# Altium PCB HV_DAC_8ch-DIOT.PCBDOC (part 11 of 11)
Units mm, origin at the board's own origin, x right, y up, seen from the top; angles counter-clockwise.
Board outline 222.63 x 100.1 mm, 8 copper layers (L1, L2, L3, P4, L5, L6, P7, L8), stack 1.563 mm thick; 971 components, 607 nets, 3066 pads, 1424 vias.
Unrouted connection lines stored in the file: 1.
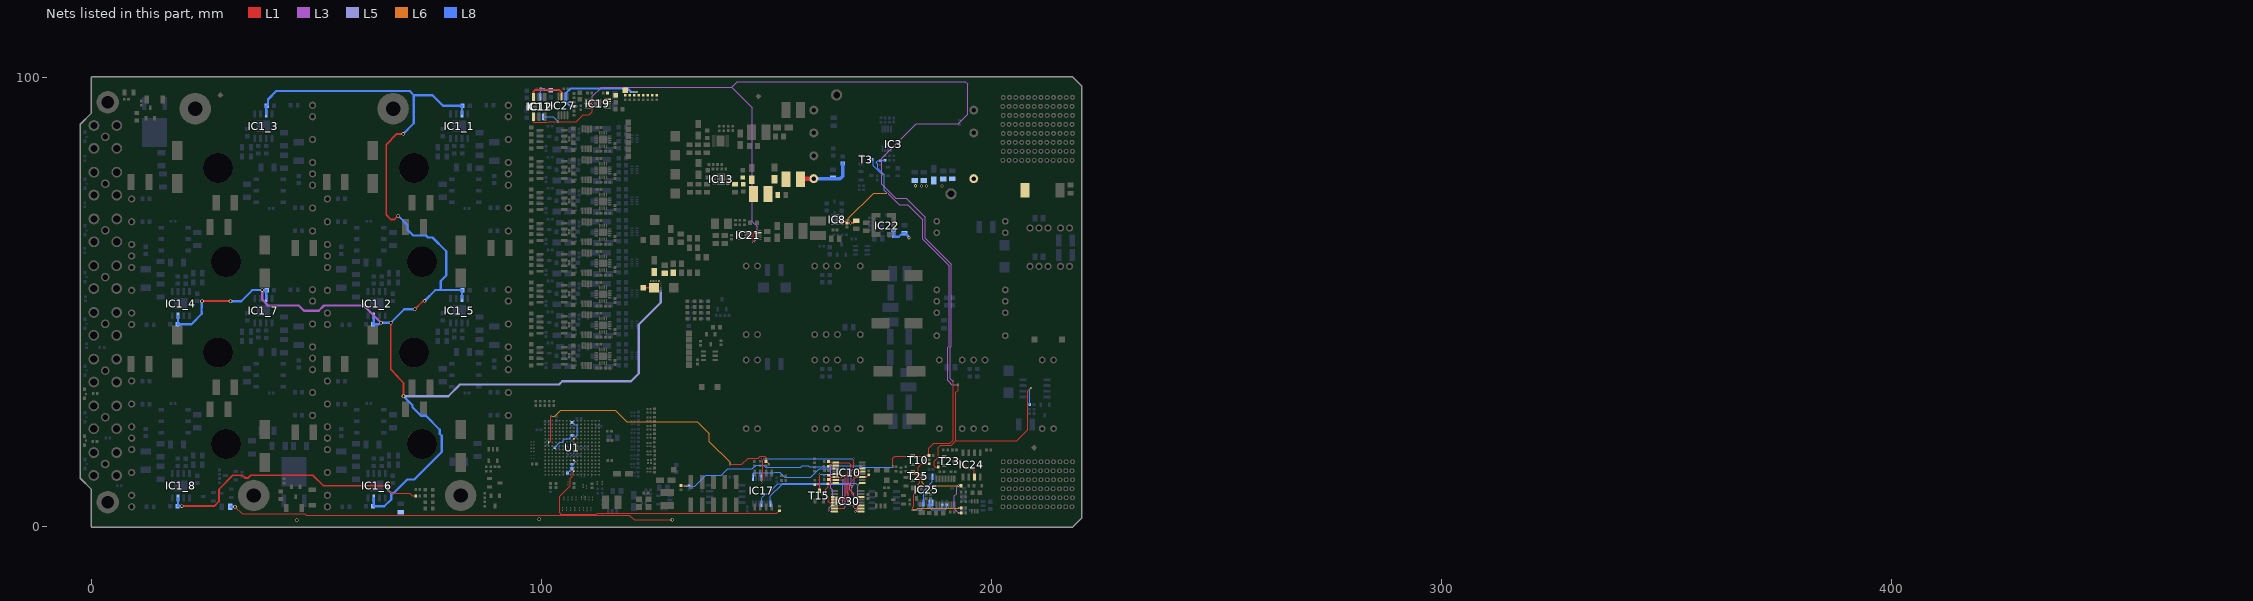
[diagram p17: the nets of this part, all layers, seen from the top]

## Via types
v1: diameter 0.4, hole 0.2, L1 to L8, tented both sides, 1016 vias
v2: diameter 0.8, hole 0.5, L1 to L8, tented both sides, 203 vias
v3: diameter 0.5, hole 0.2, L1 to L8, tented both sides, 117 vias
v4: diameter 0.7, hole 0.4, L1 to L8, tented both sides, 43 vias
v5: diameter 0.4, hole 0.2, L1 to L8, 32 vias
v6: diameter 0.5, hole 0.25, L1 to L8, 6 vias
v7: diameter 0.7, hole 0.4, L1 to L8, 5 vias
v8: diameter 1.2, hole 0.8, L1 to L8, tented both sides, 2 vias

## Nets (pads, with @x,y where several pads share a name; then routed paths per layer and width w, separated by ;. In a path a pad name is that pad's centre, name@x,y a point inside that pad or via, vN(x,y) a via of type N, cw(c..) or ccw(c..) an arc to the next point about the centre after c; other vN are vias at no path point) (continued)
P12V0F: C32.2 C34.2 C36.2 C39.2 C49.1 C63.2 C64.2 C93.2 C123.2 IC3.1 IC8.2 IC22.3 L5.2 | length 10.2
  L1 w0.3: IC8.2@166.838,67.832 167.501,67.832 167.591,67.742 167.778,67.742 C63.2@167.938,67.582
  L1 w0.5: C63.2@167.938,67.582 v7(168.69,67.582) 169.273,67.582 169.765,68.074 C64.2@169.94,68.074 ; L5.2@206.75,75.65 L5.2@207.5,74.9 L5.2@207.498,74.902
  L8 w0.5: IC22.3@178.256,66.016 C93.2@178.255,64.509 179.439,64.509 180.221,65.291 180.249,65.263 180.277,65.291 C123.2@180.696,65.291 180.718,65.313 C123.2@180.696,65.313 ; C123.2@180.871,65.291 181.591,64.571 181.591,64.392 v4(181.686,64.297)
  other v4: 184.5,75.8 185.6,75.8 189,75.8 183.13,75.841
P13V0: C29.2 C77.1 C112.2 C117.2 IC13.1 IC13.2 L11.2 | length 7.8
  L1 w0.381: L11.2@146.34,74.832 146.452,74.721 147.03,74.142 L11.2@147.114,74.059 ; L11.2@147.114,72.869 L11.2@147.114,73.964 ; L11.2@146.456,74.725 L11.2@147.15,74.031 ; L11.2@146.456,74.725 L11.2@147.034,74.146 ; L11.2@146.456,74.725 L11.2@147.034,74.146 ; L11.2@147.034,74.146 L11.2@147.15,74.031 ; L11.2@147.034,74.146 L11.2@147.15,74.031 ; L11.2@147.034,74.146 L11.2@147.15,74.031 ; L11.2@147.034,74.146 L11.2@147.15,74.031 ; L11.2@147.034,74.146 146.34,74.84 146.572,74.84 147.15,74.262 L11.2@147.15,74 L11.2@147.15,74.031
P13V0_FLT: C27.2 C28.1 L10.2 L11.1 | length 0.8
  L1 w0.762: L10.2@154.8,77.3 L10.2@154.8,78.05
P13V0S: C26.2 IC3.7 L10.1 R7.2 | length 12
  L1 w1: L10.1@158,77.3 158.132,77.432 IC3.7@160.528,77.432
  L8 w0.762: IC3.7@160.528,77.432 166.359,77.432 166.93,78.003 R7.2@166.93,80.793
P24VA: C5_1.1 C5_2.1 C5_3.1 C5_4.1 C5_5.1 C5_6.1 C5_7.1 C5_8.1 C13.2 C14.1 D6.1 IC1_1.7 IC1_2.7 IC1_3.7 IC1_4.7 IC1_5.7 IC1_6.7 IC1_7.7 IC1_8.7 L8.2 R119.2 TP8.1 | length 392.5
  L1 w0.2: v2(65.785,9.16) 65.785,8.315 66.6,7.5 70.7,7.5 71.3,6.9 R119.2@72.03,6.9
  L1 w0.4: v2(20.036,4.65) 27.256,4.65 28.303,5.697 28.303,8.403 31.4,11.5 33.5,11.5 34.1,10.9 34.8,10.9 35.4,11.5 49.183,11.5 51.523,9.16 v2(65.785,9.16) ; v2(24.522,50.206) v2(30.85,50.206) ; v2(66.472,45.391) 66.472,35.069 68.69,32.681 68.691,32.679 69.32,32.05 v2(69.32,29.065) ; v2(68.13,69.198) 67.293,68.361 66.517,68.361 65.484,69.394 65.484,85.011 67.858,87.386 v2(69.273,87.386) ; v2(71.791,48.38) 73.545,50.134 73.874,50.134 v2(74,50.26) ; TP8.1@122.6,53.2 D6.1@125,53.2
  L3 w0.5: v2(37.89,52.655) 37.89,50.587 39.219,49.258 46.036,49.258 47.206,48.088 50.492,48.088 51.633,49.229 60.49,49.229 v2(64.333,45.386)
  L5 w0.5: v2(69.32,29.065) 79.265,29.065 81.9,31.7 103.9,31.7 104.6,32.4 119.9,32.4 121.6,34.1 121.6,45 126.5,49.9 v1(126.5,52.5)
  L8 w0.5: C5_8.1@19.058,4.591 C5_8.1@19.117,4.65 ; IC1_8.7@19.2,6.46 19.2,4.733 C5_8.1@19.117,4.65 ; IC1_4.7@19.2,46.96 19.2,45.233 C5_4.1@19.058,45.091 22.173,45.091 24.483,47.402 24.483,47.924 24.39,48.018 24.39,48.662 24.483,48.755 24.483,50.168 v2(24.522,50.206) ; v2(20.036,4.65) C5_8.1@19.117,4.65 ; v2(30.85,50.206) 33.241,50.206 35.69,52.655 v2(37.89,52.655) C5_7.1@38.942,52.655 38.8,52.513 IC1_7.7@38.8,50.786 ; IC1_3.7@38.8,91.786 38.8,93.538 39.167,93.905 39.167,95.047 41.047,96.927 70.684,96.927 71.611,96 ; C5_2.1@62.558,45.091 62.7,45.233 IC1_2.7@62.7,46.96 ; C5_6.1@62.7,4.65 62.724,4.65 62.783,4.591 65.05,4.591 66.592,6.133 66.592,7.493 ; C5_6.1@62.7,4.733 IC1_6.7@62.7,6.46 ; C5_2.1@62.724,45.15 62.783,45.091 63.89,45.091 v2@64.128,45.328 ; v2@64.335,45.386 64.337,45.388 66.47,45.388 v2(66.472,45.391) 66.482,45.391 69.471,48.38 v2(71.791,48.38) ; v2(65.785,9.16) 65.842,9.102 65.842,8.242 66.592,7.493 ; v2(68.13,69.198) 70.223,67.105 70.223,66.067 71.49,64.8 74.332,64.8 74.777,64.355 75.745,64.355 78.8,61.3 78.8,55.9 77.605,54.705 77.605,52.655 ; v2(69.273,87.386) 71.611,89.724 71.611,96 ; v2(69.32,29.065) 71.299,27.087 71.299,26.636 73.219,24.715 74.306,24.715 77.389,21.633 77.389,20.695 77.791,20.293 77.791,16.646 71.723,10.579 70.174,10.579 67.089,7.493 66.592,7.493 ; v2(74,50.26) 76.395,52.655 77.605,52.655 ; IC1_5.7@82.3,50.786 82.3,52.513 C5_5.1@82.442,52.655 77.605,52.655 ; IC1_1.7@82.3,91.786 82.3,93.513 C5_1.1@82.442,93.655 78.111,93.655 75.766,96 71.611,96
  other v1: 126.5,53.1 126.5,53.7 126.5,54.3 124.3,54.7 124.9,54.7 125.5,54.7 126.1,54.7
PGOOD: IC11.1 IC12.1 IC19.3 IC21.4 R42.1 R51.2 R171.1 T3.3 T10.1 | length 321.5
  L1 w0.1: IC12.1@98.179,91.203 98.179,90.071 98.3,89.95 101.325,89.95 101.5,90.125 v1(103.675,90.125) 107.75,90.125 109.25,91.625 110.575,91.625 111.3,92.35 v1(111.3,94.1) ; v1(147.1,63.3) 147.1,65.2 147.3,65.4 IC21.4@148.2,65.4 ; v1(178.112,13.423) 178.112,15.312 178.55,15.75 T10.1@182.55,15.75 184.95,15.75 185.1,15.9 R171.1@186.13,15.9 186.13,17.53 187.2,18.6 190.8,18.6 191.5,19.3 v1(191.5,32.4)
  L1 w0.127: IC19.3@110.3,94.1 v1(111.3,94.1) ; R51.2@131,9.22 131.827,9.22 131.954,9.093 v3(132.055,9.093) ; IC21.4@148.2,65.4 IC21.4@148.241,65.441
  L3 w0.1: v1(111.3,94.1) 111.3,95.7 113.4,97.8 142.3,97.8 146.9,93.2 146.9,67.9 148,66.8 148,64.2 v1(147.1,63.3)
  L3 w0.127: 142.3,97.8 143.5,99 194.2,99 194.7,98.5 194.7,91.7 192.6,89.6 183.3,89.6 175.656,81.956 v1(175.656,78.334) 175.656,76.244 178.8,73.1 181.1,73.1 185.3,68.9 185.3,64.2 191.1,58.4 191.1,40.259 191.046,40.205 191.046,40.146 190.9,40 190.9,33 v1(191.5,32.4)
  L8 w0.1: IC11.1@100.375,91.2 102.6,91.2 v1(103.675,90.125)
  L8 w0.127: v3(132.055,9.093) 134.093,9.093 136.5,11.5 140,11.5 141.4,12.9 146.9,12.9 147.7,13.7 149.4,13.7 149.85,13.25 157.65,13.25 158,13.6 159.3,13.6 159.541,13.36 164.86,13.36 165.1,13.6 170.9,13.6 171.25,13.25 177.839,13.25 177.913,13.324 178.065,13.471 178.112,13.424 v1(178.112,13.423) ; T3.3@173.311,81.688 173.511,81.688 173.773,81.426 173.773,80.277 175.656,78.394 v1(175.656,78.334)
PWR_EN: IC8.3 R86.2 R89.2 R202.1 R226.2 | length 127.2
  L1 w0.15: IC8.3@166.838,68.332 168.046,68.332 168.146,68.232 v1(168.213,68.232)
  L1 w0.2: R226.2@188.2,13.33 187.57,13.33 187.3,13.6 187.3,14.6 188.2,15.5 188.2,17.7 188.7,18.2 191.1,18.2 192.1,19.2 ; v1(192.6,31.7) 192.6,30.4 192.1,29.9 192.1,19.2 ; v1(208.8,30.9) 208.1,30.2 208.1,21.6 205.7,19.2 192.1,19.2
  L3 w0.15: v1(176.921,74.191) 179.511,71.6 181.4,71.6 184.7,68.3 184.7,64 190.6,58.1 190.6,40.2 190.3,39.9 190.3,32.6 191.227,31.673 192.573,31.673 v1(192.6,31.7)
  L6 w0.15: v1(168.213,68.232) 168.213,68.602 173.802,74.191 v1(176.921,74.191)
  L8 w0.15: R89.2@176.354,81.556 175.49,81.556 R86.2@175.361,81.428 174.751,81.428 174.436,81.113 174.436,80.938 174.766,80.609 174.766,79.793 176.234,78.324 176.234,74.877 v1(176.921,74.191)
  L8 w0.2: R202.1@208.53,27.2 208.53,30.63 v1(208.8,30.9)
REF5Vin: C167.2 IC11.7 IC12.7 IC27.3 R179.2 | length 14
  L1 w0.45: IC12.7@98.179,95.603 98.2,95.624 98.2,96.762 98.538,97.1 v1(100.9,97.1) v1(103.1,97.1) 104,97.1 104.475,96.625 IC27.3@104.475,95.675
  L8 w0.254: IC11.7@99.725,95.6 99.725,96.625 99.87,96.77 R179.2@99.87,97.4
  L8 w0.45: R179.2@99.87,97.4 100.6,97.4 v1(100.9,97.1) 101.95,97.1 C167.2@102,97.05 102.05,97.1 v1(103.1,97.1)
REF_P5V0: C140.2 IC19.9 IC19.10 R1.1 R4.1 R5.1 R6.1 R10.1 R12.1 R14.1 R154.2 R156.1 R272.1 TP27.1 | length 22.2
  L1 w0.254: v1(106.69,93.53) R156.1@107.2,93.53 v1(107.71,93.53)
  L8 w0.5: v1(107.71,93.53) 106.37,93.53 105.4,94.5 105.4,96.4 106.5,97.5 119.1,97.5 v1(119.9,96.7) v1(121.2,96.7)
  other v1: 120.55,96.7
RST: IC24.3 T23.1 | length 9.4
  L1 w0.127: T23.1@189.55,15.55 192.15,15.55 194.7,13 195.8,13 196.235,12.565 IC24.3@196.235,11.1
RSTn: D3.1 R185.1 T25.1 | length 20.2
  L1 w0.1: v1(192.8,3.1) R185.1@193.33,3.1
  L1 w0.2: v1(182.55,11.7) T25.1@182.55,12.25 ; v1(192.7,9.2) D3.1@193.25,9.2
  L3 w0.1: v1(192.7,9.2) 192.3,8.8 192.3,7.4 191.8,6.9 191.8,4.1 v1(192.8,3.1)
  L6 w0.1: v1(182.55,11.7) 183.5,11.7 184.6,10.6 184.6,9.8 185.2,9.2 v1(192.7,9.2)
SC_A0: IC10.14 IC30.7 R40.1 | length 13.5
  L1 w0.127: R40.1@163.792,11.506 163.792,11.486 164.199,11.079 166.744,11.079 166.969,11.304 v1(167.36,11.304) ; IC30.7@165.147,4.115 165.197,4.166 v1(167.538,4.166)
  L3 w0.1: v1(167.36,11.304) 167.36,10.941 167.538,10.762 v1(167.538,4.166)
SC_A1: IC10.15 IC30.6 R15.1 | length 10.9
  L1 w0.127: R15.1@163.792,10.541 165.277,10.541 IC10.15@165.389,10.429 165.463,10.503 166.332,10.503 166.361,10.531 166.684,10.531 166.712,10.503 v1(167.042,10.503) ; IC30.6@165.147,4.765 165.208,4.826 v1(166.98,4.826)
  L3 w0.1: v1(166.98,4.826) 166.98,9.88 167.042,9.942 v1(167.042,10.503)
SC_A2: IC10.16 IC30.5 R45.1 | length 7.6
  L1 w0.1: IC30.5@165.147,5.415 163.985,5.415 163.7,5.7 163.7,6.7 163.2,7.2 163.2,8.4 163.69,8.89 R45.1@163.69,9.601 164.201,9.601 164.379,9.779 IC10.16@165.389,9.779
SC_CDONE: IC10.10 IC30.8 R41.2 | length 13.7
  L1 w0.127: R41.2@163.72,13.5 163.72,13.52 163.946,13.747 164.246,13.747 v1(164.25,13.75) 165.318,13.75 IC10.10@165.389,13.679 ; v1(164,3.5) 165.113,3.5 IC30.8@165.147,3.465
  L3 w0.127: v1(164,3.5) 164,4.3 164.7,5 164.7,8.2 164.25,8.65 v1(164.25,13.75)
SC_CRESET: IC10.13 R44.2 T15.3 | length 11
  L1 w0.127: R44.2@160.731,9.411 160.769,9.373 161.798,9.373 ; T15.3@161.773,8.059 161.798,8.084 161.798,9.373 ; v1(161.798,11.709) 161.798,10.661 161.789,10.652 161.789,10.328 161.798,10.319 161.798,9.373 ; IC10.13@165.389,11.729 165.395,11.735 v1(166.726,11.735)
  L8 w0.127: v1(161.798,11.709) 166.7,11.709 v1(166.726,11.735)
SC_MISO: IC10.5 IC17.8 IC30.14 | length 30.1
  L1 w0.127: v1(169,9) 169,7.4 169.685,6.715 IC30.14@171.047,6.715 ; v1(169.926,12.294) 171.204,12.294 IC10.5@171.289,12.379
  L3 w0.1: v1(169,9) 169.5,9.5 169.5,11.868 v1(169.926,12.294)
  L8 w0.127: IC17.8@150.896,5.152 150.896,6.896 153.496,9.496 168.504,9.496 v1(169,9)
SC_MOSI: IC10.6 IC17.4 IC30.10 | length 42.3
  L1 w0.1: v1(148.946,9.881) 148.946,10.546 149.2,10.8 149.2,14.969 149.08,15.089 v1(149.08,15.171) ; v1(169.393,15.268) 169.393,14.007 169.418,13.982 v1(169.418,12.979)
  L1 w0.127: v1(169.393,4.166) 170.997,4.166 IC30.10@171.047,4.115 ; v1(169.418,12.979) 171.239,12.979 IC10.6@171.289,13.029
  L3 w0.1: v1(169.393,4.166) 169.393,7.407 168.5,8.3 168.5,9.3 168.9,9.7 168.9,12.461 v1(169.418,12.979)
  L8 w0.127: v1(148.946,9.881) IC17.4@148.946,10.952 ; v1(149.08,15.171) 149.129,15.219 169.344,15.219 v1(169.393,15.268)
SC_nINT: IC10.9 IC30.3 R43.2 | length 15.1
  L1 w0.1: R43.2@163.792,14.529 164.271,14.529 164.471,14.329 IC10.9@165.389,14.329 168.271,14.329 168.75,13.85 168.75,12.5 167.75,11.5 167.75,7.25 167.215,6.715 IC30.3@165.147,6.715
SC_nRST: IC10.3 IC30.4 R13.1 | length 11.7
  L1 w0.1: IC30.4@165.147,6.065 165.193,6.065 167.765,6.065 168.2,6.5 168.2,9.4 169.879,11.079 IC10.3@171.289,11.079
  L1 w0.127: IC30.4@165.147,6.065 IC30.4@165.193,6.02 ; IC10.3@171.289,11.079 172.216,11.079 172.487,11.349 172.487,11.369 172.713,11.596 R13.1@172.733,11.596
SC_SCLK: IC10.11 IC17.1 IC30.11 | length 37.5
  L1 w0.127: IC10.11@165.389,13.029 165.489,12.929 v1(168.199,12.929) ; v1(168.224,4.851) 170.961,4.851 IC30.11@171.047,4.765
  L3 w0.1: v1(168.224,4.851) 168.224,7.476 168,7.7 168,9.6 168.224,9.824 v1@168.224,12.929
  L8 w0.127: IC17.1@146.983,10.94 IC17.1@146.996,10.952 146.996,11.804 147.191,12 151.6,12 151.8,12.2 153,12.2 154.1,11.1 159.9,11.1 161.763,12.963 168.164,12.963 v1(168.199,12.929)
SC_SSEL: IC10.1 IC17.11 IC30.9 | length 32.7
  L1 w0.127: v1(169.824,3.454) 171.036,3.454 IC30.9@171.047,3.465 ; v1(170.307,9.347) 170.332,9.347 170.764,9.779 IC10.1@171.289,9.779
  L3 w0.1: v1(169.824,3.454) 170.307,3.937 v1(170.307,9.347)
  L8 w0.127: IC17.11@148.946,5.152 148.971,5.177 v1(148.971,6.491) 149.87,7.391 150.39,7.391 152.565,9.565 153.206,9.565 153.391,9.75 169.904,9.75 v1(170.307,9.347)
SERVMOD_3V3: IC25.5 IC25.13 R170.2 R205.1 | length 34.5
  L1 w0.1: v1(192.8,4.2) R205.1@193.33,4.2
  L1 w0.127: v1(182.5,3.8) 182.5,4.4 182.7,4.6 182.7,7.3 183.7,8.3 183.7,9.5 184.1,9.9 184.1,10.7 183.7,11.1 183.7,13.3 184.43,14.03 R170.2@186.2,14.03
  L6 w0.127: v1(182.5,3.8) 183.252,3.8 183.652,4.2 v1(192.8,4.2)
  L8 w0.127: v1(182.5,3.8) 184.4,3.8 184.9,4.3 184.9,5.35 IC25.5@184.95,5.4 184.95,8.05 186.9,10 IC25.13@186.9,11.2
STRIP2: R231.1
  other v2: 45.6,1.5 99.5,1.7
STRIP3: R232.1 | length 99.5
  L1 w0.15: v2(31.85,4.5) 33.45,2.9 47.4,2.9 47.673,2.627 119.547,2.627 120.574,1.6 v2(129.1,1.6)
  L8 w0.5: R232.1@30.85,4.5 v2(31.85,4.5)
SW0: R33.1 U1.K15 | length 63.4
  L1 w0.1: U1.K15@101.6,18.8 102,19.2 102,24 102.1,24.1 v1(102.1,24.6) ; v1(141.9,13.9) 144.5,13.9 145.9,15.3 148.2,15.3 148.6,15.7 149.6,15.7 149.911,15.389 R33.1@149.911,14.567
  L1 w0.127: R33.1@149.911,14.567 149.931,14.567 150.496,14.002 150.496,13.912 v1(150.548,13.859)
  L6 w0.1: v1(102.1,24.6) 102.9,24.6 104.3,26 116.4,26 119,23.4 134.6,23.4 137.3,20.7 137.3,19 141.9,14.4 v1(141.9,13.9)
SW1: R35.1 U1.B8 | length 59.9
  L1 w0.1: U1.B8@107.2,12.4 107.153,12.353 107.153,12.153 106.777,11.777 106.777,11.177 106.4,10.8 106.4,9.179 105.166,7.945 104.011,6.789 104.011,3.189 104.321,2.879 112.312,2.879 112.433,3 152.27,3 152.64,3.37 152.64,3.39 152.88,3.63 R35.1@152.9,3.63
Switch_I2C.SCL: IC25.2 R233.2 | length 3.9
  L8 w0.1: IC25.2@186.9,5.4 186.9,4.4 187.1,4.2 188.9,4.2 189.1,4.4 R233.2@189.1,4.93
Switch_I2C.SDA: IC25.3 R3.2 | length 6.1
  L8 w0.1: IC25.3@186.25,5.4 186.25,4.25 186.7,3.8 189.7,3.8 190.1,4.2 R3.2@190.1,4.93
VCCPLL0: C21.2 C50.2 R111.2 U1.L8 | length 10.3
  L1 w0.127: U1.L8@107.2,19.6 v1(107.6,20)
  L8 w0.127: R111.2@102.93,17.6 102.93,17.62 104.101,18.791 104.543,18.791 104.856,19.104 104.856,19.277 105.17,19.591 106.147,19.591 106.396,19.839 106.396,19.946 106.65,20.2 C21.2@106.7,20.2 ; C21.2@106.8,20.35 106.824,20.326 107.374,20.326 107.501,20.199 ; C50.2@106.8,23.2 107.092,22.908 107.298,22.908 107.435,22.771 107.705,22.771 107.966,22.511 107.966,21.786 107.991,21.762 107.991,20.391 v1@107.7,20.1
VCCPLL1: C31.2 C37.2 R112.1 U1.E8 | length 3.9
  L1 w0.127: U1.E8@107.221,14.8 107.221,14.779 107.552,14.448 v1@107.573,14.448
  L8 w0.1: R112.1@105.77,12 105.77,12.02 106.01,12.26 106.036,12.26 106.114,12.338
  L8 w0.127: 106.114,12.338 106.444,12.668 106.508,12.668 C37.2@106.8,12.96 C31.2@106.8,13.95 107.046,14.196 107.323,14.196 107.526,14.4 v1(107.6,14.4)
pads on no net: D5.5 D15.2 D16.2 FTG1.FTG2 FTG2.1 FTG3.1 FTG4.1 FTG5.1 FTG6.1 IC1_1.1 IC1_1.5 IC1_1.8 IC1_2.1 IC1_2.5 IC1_2.8 IC1_3.1 IC1_3.5 IC1_3.8 IC1_4.1 IC1_4.5 IC1_4.8 IC1_5.1 IC1_5.5 IC1_5.8 IC1_6.1 IC1_6.5 IC1_6.8 IC1_7.1 IC1_7.5 IC1_7.8 IC1_8.1 IC1_8.5 IC1_8.8 IC3.8 IC4.7 IC14_1.3 IC14_1.5 IC14_2.3 IC14_2.5 IC14_3.3 IC14_3.5 IC14_4.3 IC14_4.5 IC14_5.3 IC14_5.5 IC14_6.3 IC14_6.5 IC14_7.3 IC14_7.5 IC14_8.3 IC14_8.5 IC15.1 IC15.2 IC15.3 IC15.7 IC19.4 IC20.4 IC27.5 IC27.6 IC27.7 IC28.4 IC31.4 IC32.5 IC37_1.7 IC37_1.13 IC37_1.16 IC37_2.7 IC37_2.13 IC37_2.16 IC37_3.7 IC37_3.13 IC37_3.16 IC37_4.7 IC37_4.13 IC37_4.16 IC37_5.7 IC37_5.13 IC37_5.16 IC37_6.7 IC37_6.13 IC37_6.16 IC37_7.7 IC37_7.13 IC37_7.16 IC37_8.7 IC37_8.13 IC37_8.16 IC41.3 J8.A5 J8.B1 J8.B5 J8.D5 J8.E4 J8.E5 J8.F4 J8.G3 J8.H3 J8.I2 J8.J3 J8.K3 J8.L2 J9.A3 J9.A5 J9.A7 J9.A8 J9.B2 J9.B3 J9.B4 J9.B5 J9.B6 J9.B7 J9.B8 J9.C2 J9.C4 J9.C6 J9.C8 J9.D3 J9.D5 J9.D7 J9.D8 J9.E2 J9.E3 J9.E4 J9.E5 J9.E6 J9.E7 J9.E8 J9.F2 J9.F4 J9.F6 J9.F8 J9.G3 J9.G5 J9.G7 J9.H2 J9.H3 J9.H4 J9.H5 J9.H6 J9.H7 J9.H8 J9.I2 J9.I4 J9.I6 J9.I8 J9.J3 J9.J5 J9.J7 J9.K2 J9.K3 J9.K4 J9.K5 J9.K6 J9.K7 J9.K8 J9.L2 J9.L4 J9.L6 J9.L8 JP1.7 JP1.8 LD1.3 LD15.3 LD16.3 LD17.3 LD18.3 LD19.3 LD20.3 LD21.3 LD22.3 LD23.3 LD24.3 LD25.3 U1.A9 U1.A15 U1.A16 U1.B10 U1.B12 U1.B13 U1.B14 U1.B15 U1.B16 U1.C11 U1.C12 U1.C13 U1.C14 U1.C16 U1.D11 U1.D12 U1.D13 U1.D14 U1.D15 U1.D16 U1.E10 U1.E11 U1.E13 U1.E14 U1.E16 U1.F3 U1.F11 U1.F12 U1.F13 U1.F14 U1.F15 U1.F16 U1.G3 U1.G10 U1.G11 U1.G12 U1.G13 U1.G14 U1.G15 U1.G16 U1.H6 U1.H11 U1.H12 U1.H13 U1.H14 U1.H16 U1.J10 U1.J12 U1.J13 U1.J14 U1.J15 U1.J16 U1.K12 U1.K13 U1.K14 U1.K16 U1.L5 U1.L9 U1.L10 U1.L11 U1.L12 U1.L13 U1.L14 U1.L16 U1.M4 U1.M5 U1.M7 U1.M8 U1.M9 U1.M11 U1.M12 U1.M13 U1.M14 U1.M16 U1.N3 U1.N4 U1.N5 U1.N6 U1.N7 U1.N9 U1.N10 U1.N12 U1.N16 U1.P1 U1.P2 U1.P4 U1.P5 U1.P6 U1.P7 U1.P8 U1.P9 U1.P10 U1.P14 U1.P15 U1.P16 U1.R1 U1.R2 U1.R3 U1.R4 U1.R5 U1.R9 U1.R10 U1.R14 U1.R15 U1.T1 U1.T2 U1.T3 U1.T5 U1.T6 U1.T7 U1.T8 U1.T9 U1.T10 U1.T11 U1.T14 U1.T16

## Polygon pours and split planes (outlines as drawn)
P12V0_SW on L8 "P12V0_SW_L08_P272" (solid, pour order 272): 214.05,59.15 215.575,59.15 215.575,65.05 213.75,65.05 213.2,64.5 213.2,60
GND on L8 "GND_L08_P269" (solid, pour order 269): 196.725,65.35 196.875,65.2 198.8,65.2 199,65.4 199,68 198.8,68.2 196.875,68.2 196.725,68.05
GND on L8 "GND_L08_P268" (solid, pour order 268): 204.4,54.8 205,55.4 205,58.6 204.675,58.925 201.225,58.925 200.9,58.6 200.9,55.6 201.7,54.8
P12V0_SW on L8 "P12V0_SW_L08_P267" (solid, pour order 267): 199.725,63.525 201.775,61.475 204.025,61.475 205.7,63.15 205.7,69 204.7,70 200.7,70 199.725,69.025
GND on L8 "GND_L08_P266" (solid, pour order 266): 202.675,33.575 202.675,37.175 203,37.5 204.6,37.5 204.925,37.175 204.925,33.575
P12V0_SW on L8 "P12V0_SW_L08_P265" (solid, pour order 265): 17 vertices, not listed, extent 208.525,19.6 218.6,33.005
P12V0 on L8 "P12V0_L08_P264" (solid, pour order 264): 207,24.8 208.08,25.88 208.81,25.88 208.81,26.46 208.19,26.46 207.775,26.875 207.775,31.735 202.035,31.735 200.3,30 200.3,25.4 200.9,24.8
GND on L8 "GND_L08_P261" (solid, remove dead copper, pour order 261): 205.756,53.226 205.756,47.301 219.57,47.301 219.57,53.226
CHASSIS on L8 "esd1" (solid, remove dead copper, pour order 122): 40,2.55 30.675,2.55 29.45,3.775 29.45,5.225 28.45,5.225 28.45,3.775 27.225,2.55 23.687,2.55 7.375,2.55 7.375,7.798 0.25,7.798 0.25,1.05 40,1.05
no net on L8 "BALANCE" (solid, pour order 256): -0.05,2.6 -0.05,8.299 -2.54,10.82 -2.54,22.645 -2.54,89.511 -2.525,89.546 -0.05,92.021 -0.05,98.036 220.074,98.036 220.089,98 220.089,2.6
GND on L8 "GND_L08_P253" (solid, pour order 253): 120.916,87.2 120.916,44.081 123.481,44.081 123.9,44.5 123.9,86.6 123.3,87.2
GND on L8 "GND_L08_P225" (solid, pour order 225): 20 vertices, not listed, extent 92.5,7.5 117.5,35
GND on L8 "GND_L08_P237" (solid, pour order 237): 20 vertices, not listed, extent 113.19,2.9 116.375,9.2
P1V2LX on L8 "P1V2LX_L08_P236" (solid, pour order 236): 115.1,4 115.1,2.9 114.5,2.9 114.5,3.3 114.4,3.4 113.7,3.4 113.6,3.5 113.6,3.9 113.7,4 114.5,4
P3V3 on L8 "P3V3_L08_P235" (solid, pour order 235): 169.225,61.75 169.225,60.125 168,58.9 168,47.4 168.9,46.5 172,46.5 172.9,47.4 172.9,48.4 172.975,48.475 172.975,61.75
P3V3_buck on L8 "NONET_L-01_P-001" (solid, remove dead copper, pour order 52): 170.2,65 171.1,65 172.361,66.261 173.206,66.261 174.496,64.971 174.5,64.916 174.5,62.435 174.265,62.2 171.825,62.2 171.825,62.7 171.325,63.2 170.07,63.2 169.58,63.69 169.58,64.38
HV_NEG on L8 "HV_NEG_L08_P224" (solid, pour order 224): 180.2,54.55 182.2,54.55 182.206,54.556 182.206,56.406 183.3,57.5 184.8,57.5 185.2,57.9 185.2,58.5 184.8,58.9 180.55,58.9 180.2,58.55
HV_POS on L8 "HV_POS_L08_P223" (solid, pour order 223): 177.094,24.644 177.1,24.65 177.1,25.25 179.1,25.25 179.1,21.15 178.75,20.8 174.5,20.8 174.1,21.2 174.1,21.8 174.5,22.2 176,22.2 177.094,23.294
P3V3_MP on L8 "P3V3_MP_L08_P188" (solid, pour order 188): 17 vertices, not listed, extent 186.74,7.7 192.2,13.11
P5V4A on L8 "P5V4A_L08_P218" (solid, pour order 218): 99.5,91.95 99.5,90.3 99.2,90 97.4,90 97.2,90.2 97.2,91.475 96.975,91.7 95.4,91.7 95.3,91.6 95.3,90.2 96.3,89.2 99.4,89.2 99.95,89.75 99.95,91.95
P12V0_SW on L8 "P12V0_SW_L08_P209" (solid, pour order 209): 145.525,52.075 144.1,53.5 144.1,58.7 144.8,59.4 150.3,59.4 150.775,58.925 150.775,55.75 150.525,55.5 150.525,52.075
P12V0_SW on L8 "P12V0_SW_L08_P208" (solid, pour order 208): 150.775,34.85 144.95,34.85 143.9,35.9 143.9,37.8 144.7,38.6 150.5,38.6 150.775,38.325
GND on L8 "GND_L08_P207" (solid, pour order 207): 152.625,58.45 152.625,54.775 153.075,54.325 153.075,52.075 155.425,52.075 155.4,52.1 155.4,57.4 154.35,58.45 153.775,58.45
GND on L8 "GND_L08_P205" (solid, pour order 205): 152.635,34.85 154.36,34.85 154.51,35 154.51,37.4 154.36,37.55 152.635,37.55
GND on L8 "GND_L08_P204" (solid, pour order 204): 206.675,24.15 204.95,24.15 204.8,24 204.8,21.6 204.95,21.45 206.675,21.45
NetC158_1 on L8 "NETC158_1_L08_P202" (solid, pour order 202): 175.25,40.55 173.8,42 173.8,46.1 174.3,46.6 179.35,46.6 179.35,41.25 178.65,40.55
NetC161_2 on L8 "NETC161_2_L08_P201" (solid, pour order 201): 178.9,58.15 178.9,50.25 179.35,49.8 179.35,47.8 175.85,47.8 175.85,49.8 173.8,51.85 173.8,57 174.95,58.15 176.9,58.15
GND on L8 "GND_L08_P200" (solid, pour order 200): 181.05,44.15 180.95,44.05 180.95,40.55 184.45,40.55 185.5,41.6 185.5,53.6 185.25,53.85 182.75,53.85 181.05,53.85
NetC125_1 on L8 "NETC125_1_L08_P192" (solid, pour order 192): 183.95,39.35 185.4,37.9 185.4,33.8 184.9,33.3 179.85,33.3 179.85,38.65 180.55,39.35
GND on L8 "GND_L08_P195" (solid, pour order 195): 178.25,25.95 176.85,25.95 176.5,25.6 174,25.6 173.8,25.8 173.8,38.5 174.65,39.35 178.25,39.35 178.25,29.45
NetC127_1 on L8 "NETC127_1_L08_P189" (solid, pour order 189): 180.3,21.75 180.3,29.65 179.85,30.1 179.85,32.1 183.35,32.1 183.35,30.1 185.4,28.05 185.4,22.9 184.25,21.75 182.3,21.75
P3V3_DIOT on L8 "P3V3_DIOT_L08_P184" (solid, pour order 184): 17 vertices, not listed, extent 192.4,5.35 196.05,8.85
GND on L8 "GND_L08_P183" (solid, pour order 183): 22 vertices, not listed, extent 193.175,2.5 200.2,5
P12V0 on L8 "P12V0_L08_P187" (solid, pour order 187): 29 vertices, not listed, extent 197.55,2.7 206,6.075
P12V0F on L8 "NONET_L-01_P-001" (solid, remove dead copper, pour order 70): 189.5,74.9 190.4,75.8 191.8,75.8 192.3,75.3 196.324,75.3 197.811,76.788 197.811,78.288 197.158,78.941 195.121,78.941 194.283,78.103 181.348,78.103 180.34,77.095 180.34,75.788 181.228,74.9
GND on L8 "NONET_L-01_P-001" (solid, remove dead copper, pour order 68): 181.254,78.326 192.91,78.326 193.424,78.841 193.412,78.852 193.412,81.269 192.185,82.496 183.234,82.496 181.254,80.517
GND on L8 "GND_L08_P156" (solid, pour order 156): 115.675,95.1 116.7,95.1 117.2,94.6 117.2,94 117.4,93.8 117.9,93.8 118,93.9 118,96.2 117.3,96.9 115.675,96.9
GND on L8 "GND_L08_P151" (solid, pour order 151): 28 vertices, not listed, extent 96.2,90.45 102.5,96.35
P1V2 on L8 "NONET_L-01_P-001" (solid, remove dead copper, pour order 120): 118.8,4.7 119.15,5.05 119.15,5.425 119.875,6.15 121.125,6.15 121.125,8.875 120.792,9.208 119.816,9.208 117.633,9.208 117.125,8.7 117.125,6.314 117.498,5.941 117.498,4.967 117.765,4.7
STRIP2 on L8 "esd1" (solid, remove dead copper, pour order 125): 45,2.269 67.494,2.269 68.025,2.8 68.025,3.8 69.475,3.8 69.475,2.8 70.006,2.269 72.5,2.269 100,2.269 100,1 45,1
STRIP3 on L8 "STRIP3_L08_P126" (solid, remove dead copper, pour order 126): 217.533,1 217.55,1 218.79,2.24 120,2.24 120,1
no net on L5 "BALANCE" (solid, pour order 259): -0.05,2.6 -0.05,8.299 -2.54,10.82 -2.54,22.645 -2.54,89.511 -2.525,89.546 -0.05,92.021 -0.05,98.036 220.074,98.036 220.089,98 220.089,2.6
P3V3 on L5 "P3V3_L05_P232" (solid, pour order 232): 73 vertices, not listed, extent 97.8,2.7 184.2,49.9
P5V4A on L5 "L5-P5V4A" (solid, pour order 229): 35 vertices, not listed, extent 94.9,36.1 138,98.6
P12V0 on L5 "P12V0_L05_P234" (solid, pour order 234): 83 vertices, not listed, extent 7.7,0.8 219.3,92.7
N24VA on L5 "N24VA_L05_P244" (solid, pour order 244): 127.7,64.9 127.9,64.7 127.9,62.8 127.7,62.6 126.7,62.6 126.5,62.8 126.5,64.7 126.7,64.9 127.4,64.9
P24VA on L5 "P24VA_L05_P243" (solid, pour order 243): 126.6,55.1 126.9,54.8 126.9,52.2 126.6,51.9 124.1,51.9 123.8,52.2 123.8,54.8 124.1,55.1
P1V2 on L5 "P1V2_L05_P233" (solid, pour order 233): 42 vertices, not listed, extent 100.8,4.4 120.4,21.5
P3V3_DIOT on L5 "P3V3_DIOT_L05_P221" (solid, pour order 221): 193,2.3 193.8,3.1 193.8,17.2 192.8,18.2 186.7,18.2 185.5,17 185.5,11.7 184.8,11 184.8,6.9 185.2,6.5 185.2,3.8 186.7,2.3 189.2,2.3
NetC87_2 on L5 "NETC87_2_L05_P175" (solid, pour order 175): 137.4,61 138.7,61 138.9,60.8 138.9,59.1 138.7,58.9 137.4,58.9 137.2,59.1 137.2,60.8
NetC9_2 on L5 "NETC9_2_L05_P173" (solid, pour order 173): 135.5,57.5 136.8,57.5 137,57.3 137,55.6 136.8,55.4 135.5,55.4 135.3,55.6 135.3,57.3
GND on L1 "GND_L01_P271" (solid, pour order 271): 216.9,75.475 216.9,76.5 216.5,76.9 216.5,77.7 216.7,77.9 218.4,77.9 218.7,77.6 218.7,75.6 218.575,75.475
P12V0 on L1 "P12V0_L01_P270" (solid, pour order 270): 31 vertices, not listed, extent 191.6,24.3 219.2,76.5
P13V0_FLT on L1 "P13V0_FLT_L01_P263" (solid, pour order 263): 149.348,72.284 152.209,72.284 153.025,73.1 153.025,74.5 154.075,75.55 155.4,75.55 155.4,79.05 153.275,79.05 152.425,78.2 150.8,78.2 149.35,76.75 149.35,75.75
N13V0_FLT on L1 "N13V0_FLT_L01_P262" (solid, pour order 262): 148.85,86 152.425,86 152.525,86.1 152.525,87.45 153.25,88.175 153.25,89.425 154.775,90.95 155.4,90.95 155.4,94.45 150.75,94.45 148.85,92.55
CHASSIS on L1 "CHASSIS_L01_P245" (solid, pour order 245): 7.775,97.3 7.275,97.8 1.4,97.8 0.5,96.9 0.5,91.6 1,91.1 6,91.1 7.56,92.66 7.56,95.685 7.775,95.9
CHASSIS on L1 "esd1" (solid, remove dead copper, pour order 124): 0.25,6.775 7.375,6.775 7.375,2.25 40,2.25 40,0.75 0.25,0.75
P3V3 on L1 "P3V3_L01_P250" (solid, pour order 250): 90.24,13.872 89.902,14.209 89.902,15.2 90.402,15.2 91.7,13.902 91.7,12.8 91.1,12.2 90.4,12.2 90.24,12.36 90.24,13.09
GND on L1 "GND_L01_P242" (solid, pour order 242): 20 vertices, not listed, extent 92.5,4.5 117.5,35.5
no net on L1 "BALANCE" (solid, pour order 260): -0.05,2.6 -0.05,8.299 -2.54,10.82 -2.54,22.645 -2.54,89.511 -2.525,89.546 -0.05,92.021 -0.05,98.036 220.074,98.036 220.089,98 220.089,2.6
GND on L1 "GND_L01_P249" (solid, pour order 249): 88.38,12.09 88.38,13.71 88.95,14.28 88.95,17.791 89.45,17.791 89.45,14.22 89.96,13.71 89.96,12.56 89.49,12.09 88.96,12.09
GND on L1 "GND_L01_P246" (solid, pour order 246): 7.84,94.79 7.84,95.41 8.335,95.41 8.825,95.9 8.825,97.3 10.4,97.3 10.7,97 10.7,96 10.3,95.6 9.6,95.6 8.79,94.79 8.46,94.79
P3V3_INIT on L1 "P3V3_INIT_L01_P230" (solid, pour order 230): 135.45,38.3 139.2,38.3 139.2,35.8 138.7,35.3 136,35.3 135.45,35.85
P1V2LX on L1 "P1V2LX_L01_P239" (solid, pour order 239): 113.4,7.005 113.4,3.7 113.6,3.5 114.7,3.5 114.95,3.75 114.95,7.005
P1V2 on L1 "P1V2_L01_P238" (solid, pour order 238): 116.25,4.005 118.305,4.005 118.5,4.2 118.5,6.8 118.295,7.005 116.25,7.005
P3V3_buck on L1 "P3V3_BUCK_L01_P231" (solid, pour order 231): 135.45,38.75 135.015,39.185 135.015,40.67 136.43,40.67 137,40.1 137,38.9 136.85,38.75 136.6,38.75
GND on L1 "GND_L01_P227" (solid, pour order 227): 143.575,88.775 143.7,88.9 144.7,88.9 144.825,88.775 144.825,86.6 143.575,86.6
GND on L1 "GND_L01_P226" (solid, pour order 226): 147.475,84 148.8,84 149,84.2 149,85.2 148.8,85.4 147.475,85.4
N12V0A on L1 "N12V0A_L01_P216" (solid, pour order 216): 133.3,85.525 130.775,88.05 128.625,88.05 128.625,85.075 129.4,84.3 138.45,84.3 138.7,84.55 138.7,85.7 137.575,85.7 137.4,85.525
GND on L1 "GND_L01_P222" (solid, pour order 222): 138.7,85.9 136.45,85.9 136.3,86.05 134.225,86.05 134.175,86.1 134.175,87.9 135.425,87.9 136.375,86.95 137.3,86.95 137.3,86.4 137.55,86.15 138.7,86.15
GND on L1 "GND_L01_P152" (solid, pour order 152): 17 vertices, not listed, extent 96.449,90.278 102.574,96.528
GND on L1 "GND_L01_P217" (solid, pour order 217): 128.625,81.45 130.775,81.45 131.525,82.2 137.2,82.2 137.4,82.4 137.4,83.725 137.375,83.75 128.625,83.75
N13V0 on L1 "N13V0_L01_P213" (solid, pour order 213): 19 vertices, not listed, extent 138.925,84 147.65,89.5
GND on L1 "GND_L01_P212" (solid, pour order 212): 30 vertices, not listed, extent 128.625,73 145.3,79.2
P12V0A on L1 "P12V0A_L01_P211" (solid, pour order 211): 138.8,76.95 138.8,75.9 138.5,75.6 129.6,75.6 128.625,76.575 128.625,79.6 130.825,79.6 133.7,76.725 137.775,76.725 138,76.95
P13V0 on L1 "P13V0_L01_P210" (solid, pour order 210): 17 vertices, not listed, extent 141,72.25 148.15,78.175
NetC158_1 on L1 "NETC158_1_L01_P199" (solid, pour order 199): 178.025,46.475 178.025,42.025 177.5,41.5 174.3,41.5 173.825,41.975 173.825,46.475
NetC161_2 on L1 "NETC161_2_L01_P198" (solid, pour order 198): 178.025,57.075 178.025,53.725 177.7,53.4 174.1,53.4 173.8,53.7 173.8,57.05 173.825,57.075
GND on L1 "GND_L01_P197" (solid, pour order 197): 184.775,57.075 184.775,44.125 180.575,44.125 180.575,57.075
GND on L1 "GND_L01_P194" (solid, pour order 194): 173.825,22.825 173.825,35.775 178.025,35.775 178.025,22.825
NetC125_1 on L1 "NETC125_1_L01_P193" (solid, pour order 193): 181.175,33.425 181.175,37.875 181.7,38.4 184.9,38.4 185.375,37.925 185.375,33.425
NetC127_1 on L1 "NETC127_1_L01_P190" (solid, pour order 190): 181.175,22.825 181.175,26.175 181.5,26.5 185.1,26.5 185.4,26.2 185.4,22.85 185.375,22.825
GND on L1 "GND_L01_P170" (solid, pour order 170): 33 vertices, not listed, extent 137.65,63.91 150.9,68.525
GND on L1 "GND_L01_P182" (solid, pour order 182): 132.325,63.475 132.325,63.925 131.725,64.525 130.275,64.525 129.5,65.3 125.925,65.3 124.125,67.1 124.125,69.3 131.4,69.3 133.475,67.225 133.475,63.475
N24VA on L1 "N24VA_L01_P181" (solid, pour order 181): 133.475,61.375 129.4,61.375 128.075,62.7 124.125,62.7 124.125,64.9 127.675,64.9 128.075,64.5 129.65,64.5 130.275,63.875 131.725,63.875 131.725,63.425 132.325,62.825 133.475,62.825
NetC119_2 on L1 "NETC119_2_L01_P180" (solid, pour order 180): 134.225,59.275 134.125,59.375 134.125,64.925 135.275,64.925 135.275,60.825 135.375,60.725 135.375,59.275
GND on L1 "GND_L01_P179" (solid, pour order 179): 124.475,58.4 125.9,58.4 126.675,57.625 128.125,57.625 128.275,57.775 129.875,57.775 129.875,59.225 128.725,59.225 127.75,60.2 124.475,60.2
GND on L1 "GND_L01_P178" (solid, pour order 178): 130.5,52.125 127.775,52.125 127.6,52.3 127.6,54.1 127.775,54.275 130.5,54.275
P24VA on L1 "P24VA_L01_P177" (solid, pour order 177): 129.875,57.225 128.375,57.225 128.125,56.975 126.35,56.975 125.725,57.6 124.475,57.6 123.9,57.025 123.9,52.125 126.725,52.125 127,52.4 127,54.7 128.075,55.775 129.875,55.775
NetC10_2 on L1 "NETC10_2_L01_P176" (solid, pour order 176): 133.475,55.775 130.525,55.775 130.525,59.225 131.675,59.225 131.675,57.875 132.325,57.225 133.475,57.225
NetC87_2 on L1 "NETC87_2_L01_P174" (solid, pour order 174): 136.025,59.275 137.025,59.275 137.4,58.9 138.7,58.9 138.9,59.1 138.9,60.8 138.7,61 137.4,61 137.125,60.725 136.025,60.725
NetC9_2 on L1 "NETC9_2_L01_P172" (solid, pour order 172): 134.125,55.775 135.125,55.775 135.5,55.4 136.8,55.4 137,55.6 137,57.3 136.8,57.5 135.5,57.5 135.225,57.225 134.125,57.225
GND on L1 "GND_L01_P171" (solid, pour order 171): 153.025,66 153.025,68.075 152.9,68.2 151.9,68.2 151.775,68.075 151.775,66
P5V4A on L1 "P5V4A_L01_P169" (solid, pour order 169): 143.675,62.475 143.2,62 136.5,62 136.3,62.2 136.3,63.8 136.5,64 137.525,64 138,63.525 141.4,63.525 141.89,64.015 141.89,64.26 142.785,64.26 143.075,64.55 144.525,64.55 144.525,63.325
P6V0A on L1 "P6V0A_L01_P168" (solid, pour order 168): 147.475,65.05 149.25,65.05 149.4,64.9 151.475,64.9 151.775,65.2 153.025,65.2 153.94,66.115 153.94,67.545 155.94,67.545 155.94,64.045 155.27,63.375 147.85,63.375 147.475,63.75
P12V0F on L1 "NONET_L-01_P-001" (solid, remove dead copper, pour order 58): 40 vertices, not listed, extent 168,63.25 208.5,79.4
P3V3_buck on L1 "NONET_L-01_P-001" (solid, remove dead copper, pour order 56): 170.134,64.153 170.134,64.934 170.397,65.197 171.097,65.197 171.471,65.571 171.471,66.366 172.871,66.366 173.306,66.801 173.306,69.809 174.306,69.809 174.264,69.767 174.264,64.283 173.884,63.903 170.384,63.903
GND on L1 "GND_L01_P155" (solid, pour order 155): 33 vertices, not listed, extent 108,92.4 118.45,97.7
P5V4A on L1 "P5V4A_L01_P154" (solid, pour order 154): 111.025,94.45 109.1,94.45 109,94.55 108,94.55 108,95.55 109.15,95.55 109.94,96.34 109.94,96.81 110.56,96.81 110.56,95.94 111.025,95.475
REF_P5V0 on L1 "REF_P5V0_L01_P153" (solid, pour order 153): 113.975,94.45 113.975,95.575 114.38,95.98 114.38,96.81 115.305,97.735 125.465,97.735 125.91,97.29 125.91,95.66 117.21,95.66 117,95.45 116,95.45 115.425,94.875 115.425,94.45
P2V5 on L1 "NONET_L-01_P-001" (solid, remove dead copper, pour order 104): 17 vertices, not listed, extent 125.4,6.87 129.997,13.36
STRIP2 on L1 "esd1" (solid, remove dead copper, pour order 133): 100,0.5 100,2.135 45,2.135 45,0.5
STRIP3 on L1 "STRIP3_L01_P132" (solid, remove dead copper, pour order 132): 217.05,0.5 218.79,2.24 120,2.24 120,0.5
no net on L3 "BALANCE" (solid, pour order 255): -0.05,2.6 -0.05,8.299 -2.54,10.82 -2.54,22.645 -2.54,89.511 -2.525,89.546 -0.05,92.021 -0.05,98.036 220.074,98.036 220.089,98 220.089,2.6
N12V0A on L3 "N12V0A_L03_P160" (solid, pour order 160): 116 vertices, not listed, extent 100.939,34.7 132.6,93.2
P12V0_SW on L6 "P12V0_SW_L06_P167" (solid, pour order 167): 208.5,52.4 201,59.9 201,68.8 202.2,70 217.1,70 218.8,68.3 218.8,21.5 218.1,20.8 209.2,20.8 208.5,21.5
no net on L6 "BALANCE" (solid, pour order 254): -0.05,2.6 -0.05,8.299 -2.54,10.82 -2.54,22.645 -2.54,89.511 -2.525,89.546 -0.05,92.021 -0.05,98.036 220.074,98.036 220.089,98 220.089,2.6
P3V3_MP on L6 "P3V3_MP_L06_P220" (solid, pour order 220): 21 vertices, not listed, extent 146,2.7 192.3,15
P2V5 on L6 "P2V5_L06_P240" (solid, pour order 240): 39 vertices, not listed, extent 99.2,8.2 129.5,21.5
P12V0A on L6 "L6-P12V0A" (solid, pour order 164): 113 vertices, not listed, extent 98.95,39.235 136.1,98.6
GND on P7 (split plane): 41 vertices, not listed, extent -2.029,0.46 219.579,99.54
GND on L2 (split plane): 37 vertices, not listed, extent -2.029,0.46 219.579,99.54
GND on P4 (split plane): 37 vertices, not listed, extent -2.029,0.46 219.579,99.54

## Keep-outs
L1:
  lines w0.15: 120,2.623 158.954,2.623
  lines w0.254: 0.051,97.993 159.791,97.993
KeepOutLayer:
  drawing of 7617 lines, arcs and shapes, not listed

## Other copper
L1:
  rectangle net GND: 206.236,48.273 219.57,51.753
  rectangle net GND: 126.898,5.766 127.787,6.121
  rectangle net GND: 162.128,8.839 163.068,9.093
  rectangle net GND: 123.876,8.534 124.282,8.956
  rectangle net P2V5LX: 129.25,4.25 130,5.5
  rectangle net GND: 124.663,4.826 125.07,5.588
  pour cut-out: 159.513,65.807 159.513,67.007 163.213,67.007 163.213,65.807
  region net P6V0_LX: 164.388,67.982 164.388,67.682 163.213,67.007 162.963,67.007 162.963,69.007 163.212,69.001 163.713,68.307
  pour cut-out: 175.306,70.015 176.809,70.015 176.809,69.805 176.809,64.315 175.306,64.315
L6:
  pour cut-out: 121.6,96.2 121.7,96.3 121.7,97.1 121.6,97.2 119.5,97.2 119.4,97.1 119.4,96.3 119.5,96.2
L5:
  pour cut-out: 121.6,96.2 121.7,96.3 121.7,97.1 121.6,97.2 119.5,97.2 119.4,97.1 119.4,96.3 119.5,96.2
L8:
  rectangle net P2V5LX: 128.75,4.5 130.25,5.5
P4 (plane layer: these items are gaps in the copper):
  rectangle: 136.7,62.4 137.3,63.6
  lines w1.016: 142.4,33.8 136.1,33.8 134.7,35.2 134.7,42.5 134.7,59.1 137.2,61.6 155.1,61.6 158.75,65.25 158.75,89.5 ; 158.75,92.8 164.25,98.3 192.75,98.3 192.75,91.8
P7 (plane layer: these items are gaps in the copper):
  rectangle: 136.7,62.4 137.3,63.6
  lines w1: -0.05,0 156.998,0 157,0.002 159.997,0.002 160.045,0.05 ; 166.692,98.3 177.832,98.3 187.052,98.3 192.75,98.3
  lines w1.016: 142.4,33.8 136.1,33.8 134.7,35.2 134.7,42.5 134.7,59.1 137.2,61.6 155.1,61.6 158.75,65.25 158.75,92.8 164.25,98.3 192.75,98.3 ; 192.75,98.3 192.75,91.8 192.75,98.3
L2 (plane layer: these items are gaps in the copper):
  rectangle: 136.7,62.4 137.3,63.6
  lines w1.016: 142.4,33.8 136.1,33.8 134.7,35.2 134.7,42.5 134.7,59.1 137.2,61.6 155.1,61.6 158.75,65.25 158.75,92.6 ; 158.75,92.8 164.25,98.3 192.75,98.3 192.75,91.8

## Silkscreen, mask and mechanical layers (free items; w line width, h text height)
Top Overlay:
  drawing of 281 lines, arcs and shapes, not listed
  text "REF_P5V0" at 119.91,96.24 h1
  text "LDACn" at 120.4,89.2 h1
  text "CLRn" at 120.4,87.7 h1
  text "MOSI" at 120.4,86.2 h1
  text "CLK" at 120.4,84.7 h1
  text "NSS" at 120.4,83.2 h1
  text "GND" at 120.4,81.7 h1
  text "P12V0" at 193.4,67 h1
  text "N12V0A" at 128.086,49.911 h1
  text "P12V0" at 137.7,49.811 h1
  text "P12V0A" at 128.134,48.711 h1
  text "P5V4A" at 137.7,48.511 h1
  text "P1V2" at 137.7,47.3 h1
  text "P3V3" at 129.311,47.211 h1
  text "P2V5" at 129.3,46.011 h1
  text "P3V3 / MP" at 136.842,45.2 h1
  text "P12V0" at 208.4,43.111 h1
  text "P12V0_SW" at 213.6,43.077 h1
  text "P12V0A" at 125.3,42.3 h1
  text "N12V0A" at 125.3,40.9 h1
  text "P5V4A" at 125.3,39.5 h1
  text "P3V3" at 125.3,38.1 h1
  text "P1V2" at 125.3,36.7 h1
  text "GND" at 125.3,35.3 h1
  text "1_0" at 120.091,24.867 h1
  text "HV_POS" at 136.224,23.568 h1 r90
  text "HV_NEG" at 139.724,23.568 h1 r90
  text "1_1" at 120.091,23.139 h1
  text "1_2" at 120.091,21.412 h1
  text "1_3" at 120.091,19.406 h1
  text "1_4" at 120.091,17.653 h1
  text "FPGA CFG Bank select" at 141.223,16.446 h2
  text "1_5" at 120.091,15.508 h1
  text "& user switches" at 145.312,15.043 h2
  text "I2C0_SCL" at 174.823,14.089 h1 r90
  text "I2C0_SDA" at 177.008,14.053 h1 r90
  text "1_6" at 120.091,13.817 h1
  text "P2V5" at 129.416,13.827 h1
  text "1_7" at 120.4,12.1 h1
  text "SPI PROG" at 138.881,11.603 h1
  text "P3V3 / MP" at 172.442,9.6 h1
  text "N24VA" at 95.811,8.5 h1
  text "P24VA" at 95.811,7.4 h1
  text "N12V0A" at 15.519,6.706 h0.9
  text "HVNEG" at 95.811,6.311 h1
  text "HVPOS" at 95.811,5.212 h1
Top Solder:
  rectangle: 0.609,0.565 219.405,2.362
  region: 206.037,51.755 206.037,48.255 220,48.255 220,51.755
Bottom Solder:
  rectangle: 0.609,0.565 219.405,2.362
  region: 206.037,51.755 206.037,48.255 220,48.255 220,51.755
Mechanical1:
  drawing of 560 lines, arcs and shapes, not listed
  text "Layer" at -0.673,226.134 h1.52
  text "Name" at 9.738,226.134 h1.52
  text "Material" at 33.354,226.134 h1.52
  text "Thickness" at 55.192,226.134 h1.52
  text "Constant" at 71.698,226.134 h1.52
  text "Gerber" at 86.172,226.134 h1.52
  text "Board Layer Stack" at 98.108,226.134 h1.52
  text "Top Overlay" at 9.738,223.086 h1.52
  text "GTO" at 86.172,223.086 h1.52
  text "Top Solder" at 9.738,220.038 h1.52
  text "Solder Resist" at 33.354,220.038 h1.52
  text "0.034mm" at 55.192,220.038 h1.52
  text "3.5" at 71.698,220.038 h1.52
  text "GTS" at 86.172,220.038 h1.52
  text "1" at -0.673,216.99 h1.52
  text "L1" at 9.738,216.99 h1.52
  text "CF-004" at 33.354,216.99 h1.52
  text "0.035mm" at 55.192,216.99 h1.52
  text "GTL" at 86.172,216.99 h1.52
  text "Dielectric1" at 9.738,213.942 h1.52
  text "FR4" at 33.354,213.942 h1.52
  text "0.180mm" at 55.192,213.942 h1.52
  text "4.2" at 71.698,213.942 h1.52
  text "2" at -0.673,210.894 h1.52
  text "L2" at 9.738,210.894 h1.52
  text "CF-003" at 33.354,210.894 h1.52
  text "0.018mm" at 55.192,210.894 h1.52
  text "GP1" at 86.172,210.894 h1.52
  text "Dielectric 9" at 9.738,207.846 h1.52
  text "FR4" at 33.354,207.846 h1.52
  text "0.102mm" at 55.192,207.846 h1.52
  text "4.5" at 71.698,207.846 h1.52
  text "3" at -0.673,204.798 h1.52
  text "L3" at 9.738,204.798 h1.52
  text "CF-003" at 33.354,204.798 h1.52
  text "0.018mm" at 55.192,204.798 h1.52
  text "G1" at 86.172,204.798 h1.52
  text "Dielectric 1" at 9.738,201.75 h1.52
  text "FR4" at 33.354,201.75 h1.52
  text "0.360mm" at 55.192,201.75 h1.52
  text "4.2" at 71.698,201.75 h1.52
  text "4" at -0.673,198.702 h1.52
  text "P4" at 9.738,198.702 h1.52
  text "CF-003" at 33.354,198.702 h1.52
  text "0.018mm" at 55.192,198.702 h1.52
  text "GP2" at 86.172,198.702 h1.52
  text "Dielectric 2" at 9.738,195.654 h1.52
  text "FR4" at 33.354,195.654 h1.52
  text "0.102mm" at 55.192,195.654 h1.52
  text "4.5" at 71.698,195.654 h1.52
  text "5" at -0.673,192.606 h1.52
  text "L5" at 9.738,192.606 h1.52
  text "CF-003" at 33.354,192.606 h1.52
  text "0.018mm" at 55.192,192.606 h1.52
  text "G2" at 86.172,192.606 h1.52
  text "Dielectric 8" at 9.738,189.558 h1.52
  text "FR4" at 33.354,189.558 h1.52
  text "0.360mm" at 55.192,189.558 h1.52
  text "4.2" at 71.698,189.558 h1.52
  text "6" at -0.673,186.51 h1.52
  text "L6" at 9.738,186.51 h1.52
  text "CF-003" at 33.354,186.51 h1.52
  text "0.018mm" at 55.192,186.51 h1.52
  text "G3" at 86.172,186.51 h1.52
  text "Dielectric4" at 9.738,183.462 h1.52
  text "FR4" at 33.354,183.462 h1.52
  text "0.102mm" at 55.192,183.462 h1.52
  text "4.5" at 71.698,183.462 h1.52
  text "7" at -0.673,180.414 h1.52
  text "P7" at 9.738,180.414 h1.52
  text "CF-003" at 33.354,180.414 h1.52
  text "0.018mm" at 55.192,180.414 h1.52
  text "GP3" at 86.172,180.414 h1.52
  text "Dielectric3" at 9.738,177.366 h1.52
  text "FR4" at 33.354,177.366 h1.52
  text "0.180mm" at 55.192,177.366 h1.52
  text "4.2" at 71.698,177.366 h1.52
  text "8" at -0.673,174.318 h1.52
  text "L8" at 9.738,174.318 h1.52
  text "0.036mm" at 55.192,174.318 h1.52
  text "GBL" at 86.172,174.318 h1.52
  text "Bottom Solder" at 9.738,171.27 h1.52
  text "Solder Resist" at 33.354,171.27 h1.52
  text "0.034mm" at 55.192,171.27 h1.52
  text "3.5" at 71.698,171.27 h1.52
  text "GBS" at 86.172,171.27 h1.52
  text "Bottom Overlay" at 9.738,168.222 h1.52
  text "GBO" at 86.172,168.222 h1.52
  text "Total board thickness:" at -0.673,165.174 h1.52
  text "1.631mm" at 55.192,165.174 h1.52
Mechanical4:
  lines w1: 41.263,5.031 41.263,95.031 116.263,95.031 116.263,5.031 41.263,5.031 ; 122.263,55.031 157.263,55.031 157.263,95.031 122.263,95.031 122.263,55.031
Mechanical8:
  lines w0.2: 91.741,18.259 101.737,18.259 ; 207.359,90.959 217.101,90.959 ; 207.396,77.663 207.396,90.959 207.396,102.69

## Text inside footprints (layer, text, board x,y; h text height)
IC2_1: Mechanical8 "! USED WITH HEAT SINK AND SOCKET !" at 81.816,65.806 h1 r90
IC2_2: Mechanical8 "! USED WITH HEAT SINK AND SOCKET !" at 63.184,72.94 h1 r270
IC2_3: Mechanical8 "! USED WITH HEAT SINK AND SOCKET !" at 38.316,65.806 h1 r90
IC2_4: Mechanical8 "! USED WITH HEAT SINK AND SOCKET !" at 19.684,72.94 h1 r270
IC2_5: Mechanical8 "! USED WITH HEAT SINK AND SOCKET !" at 81.816,24.806 h1 r90
IC2_6: Mechanical8 "! USED WITH HEAT SINK AND SOCKET !" at 63.184,32.44 h1 r270
IC2_7: Mechanical8 "! USED WITH HEAT SINK AND SOCKET !" at 38.316,24.806 h1 r90
IC2_8: Mechanical8 "! USED WITH HEAT SINK AND SOCKET !" at 19.684,32.44 h1 r270
IC33: Top Overlay "17" at 198.985,51.95 h1.5; Top Overlay "15" at 198.985,46.87 h1.5; Top Overlay "13" at 198.985,41.79 h1.5; Top Overlay "8" at 189.743,51.95 h1.5; Top Overlay "10" at 189.743,46.87 h1.5; Top Overlay "12" at 189.743,41.79 h1.5; Top Overlay "16" at 199.112,49.41 h1.5; Top Overlay "22" at 198.731,64.65 h1.5; Top Overlay "23" at 198.731,67.19 h1.5; Top Overlay "9" at 189.817,49.41 h1.5; Top Overlay "3" at 189.817,64.65 h1.5; Top Overlay "2" at 189.817,67.19 h1.5; Mechanical14 "17" at 198.985,51.95 h1.5; Mechanical14 "15" at 198.985,46.87 h1.5; Mechanical14 "13" at 198.985,41.79 h1.5; Mechanical14 "8" at 189.743,51.95 h1.5; Mechanical14 "10" at 189.743,46.87 h1.5; Mechanical14 "12" at 189.743,41.79 h1.5; Mechanical14 "2" at 189.817,67.19 h1.5; Mechanical14 "3" at 189.817,64.65 h1.5; Mechanical14 "9" at 189.817,49.41 h1.5; Mechanical14 "23" at 198.731,67.19 h1.5; Mechanical14 "22" at 198.731,64.65 h1.5; Mechanical14 "16" at 199.112,49.41 h1.5
IC34: Top Overlay "2" at 213.08,35.163 h1.5 r270; Top Overlay "3" at 210.54,35.163 h1.5 r270; Top Overlay "9" at 195.3,35.163 h1.5 r270; Top Overlay "23" at 213.08,26.249 h1.5 r270; Top Overlay "22" at 210.54,26.249 h1.5 r270; Top Overlay "16" at 195.3,25.868 h1.5 r270; Top Overlay "12" at 187.68,35.237 h1.5 r270; Top Overlay "10" at 192.76,35.237 h1.5 r270; Top Overlay "8" at 197.84,35.237 h1.5 r270; Top Overlay "13" at 187.68,25.995 h1.5 r270; Top Overlay "15" at 192.76,25.995 h1.5 r270; Top Overlay "17" at 197.84,25.995 h1.5 r270; Mechanical14 "16" at 195.3,25.868 h1.5 r270; Mechanical14 "22" at 210.54,26.249 h1.5 r270; Mechanical14 "23" at 213.08,26.249 h1.5 r270; Mechanical14 "9" at 195.3,35.163 h1.5 r270; Mechanical14 "3" at 210.54,35.163 h1.5 r270; Mechanical14 "2" at 213.08,35.163 h1.5 r270; Mechanical14 "12" at 187.68,35.237 h1.5 r270; Mechanical14 "10" at 192.76,35.237 h1.5 r270; Mechanical14 "8" at 197.84,35.237 h1.5 r270; Mechanical14 "13" at 187.68,25.995 h1.5 r270; Mechanical14 "15" at 192.76,25.995 h1.5 r270; Mechanical14 "17" at 197.84,25.995 h1.5 r270
IC36: Top Overlay "17" at 161.47,53.905 h1.5 r90; Top Overlay "15" at 166.55,53.905 h1.5 r90; Top Overlay "13" at 171.63,53.905 h1.5 r90; Top Overlay "8" at 161.47,44.663 h1.5 r90; Top Overlay "10" at 166.55,44.663 h1.5 r90; Top Overlay "12" at 171.63,44.663 h1.5 r90; Top Overlay "16" at 164.01,54.032 h1.5 r90; Top Overlay "22" at 148.77,53.651 h1.5 r90; Top Overlay "23" at 146.23,53.651 h1.5 r90; Top Overlay "9" at 164.01,44.737 h1.5 r90; Top Overlay "3" at 148.77,44.737 h1.5 r90; Top Overlay "2" at 146.23,44.737 h1.5 r90; Mechanical14 "17" at 161.47,53.905 h1.5 r90; Mechanical14 "15" at 166.55,53.905 h1.5 r90; Mechanical14 "13" at 171.63,53.905 h1.5 r90; Mechanical14 "8" at 161.47,44.663 h1.5 r90; Mechanical14 "10" at 166.55,44.663 h1.5 r90; Mechanical14 "12" at 171.63,44.663 h1.5 r90; Mechanical14 "2" at 146.23,44.737 h1.5 r90; Mechanical14 "3" at 148.77,44.737 h1.5 r90; Mechanical14 "9" at 164.01,44.737 h1.5 r90; Mechanical14 "23" at 146.23,53.651 h1.5 r90; Mechanical14 "22" at 148.77,53.651 h1.5 r90; Mechanical14 "16" at 164.01,54.032 h1.5 r90
IC39: Top Overlay "17" at 161.47,33.005 h1.5 r90; Top Overlay "15" at 166.55,33.005 h1.5 r90; Top Overlay "13" at 171.63,33.005 h1.5 r90; Top Overlay "8" at 161.47,23.763 h1.5 r90; Top Overlay "10" at 166.55,23.763 h1.5 r90; Top Overlay "12" at 171.63,23.763 h1.5 r90; Top Overlay "16" at 164.01,33.132 h1.5 r90; Top Overlay "22" at 148.77,32.751 h1.5 r90; Top Overlay "23" at 146.23,32.751 h1.5 r90; Top Overlay "9" at 164.01,23.837 h1.5 r90; Top Overlay "3" at 148.77,23.837 h1.5 r90; Top Overlay "2" at 146.23,23.837 h1.5 r90; Mechanical14 "17" at 161.47,33.005 h1.5 r90; Mechanical14 "15" at 166.55,33.005 h1.5 r90; Mechanical14 "13" at 171.63,33.005 h1.5 r90; Mechanical14 "8" at 161.47,23.763 h1.5 r90; Mechanical14 "10" at 166.55,23.763 h1.5 r90; Mechanical14 "12" at 171.63,23.763 h1.5 r90; Mechanical14 "2" at 146.23,23.837 h1.5 r90; Mechanical14 "3" at 148.77,23.837 h1.5 r90; Mechanical14 "9" at 164.01,23.837 h1.5 r90; Mechanical14 "23" at 146.23,32.751 h1.5 r90; Mechanical14 "22" at 148.77,32.751 h1.5 r90; Mechanical14 "16" at 164.01,33.132 h1.5 r90
J8: Top Overlay "A" at 218.439,1.3 h1 r90; Top Overlay "B" at 217.039,1.3 h1 r90; Top Overlay "C" at 215.639,1.3 h1 r90; Top Overlay "D" at 214.239,2.3 h1 r90; Top Overlay "E" at 212.839,2.3 h1 r90; Top Overlay "F" at 211.439,2.3 h1 r90; Top Overlay "G" at 210.039,2.3 h1 r90; Top Overlay "H" at 208.639,2.3 h1 r90; Top Overlay "I" at 207.239,2.55 h1 r90; Top Overlay "J" at 205.839,2.3 h1 r90; Top Overlay "K" at 204.439,2.3 h1 r90; Top Overlay "L" at 203.039,2.3 h1 r90; Top Overlay "6" at 197.905,14.15 h1 r90; DrillDrawing "PRESS-FIT TECHNOLOGY" at 218.689,17 h1 r180; DrillDrawing "Diam. 0.5mm +/-0.05" at 218.689,18.5 h1 r180; Mechanical14 "A" at 218.439,1.3 h1 r90; Mechanical14 "B" at 217.039,1.3 h1 r90; Mechanical14 "C" at 215.639,1.3 h1 r90; Mechanical14 "D" at 214.239,2.3 h1 r90; Mechanical14 "E" at 212.839,2.3 h1 r90; Mechanical14 "F" at 211.439,2.3 h1 r90; Mechanical14 "G" at 210.039,2.3 h1 r90; Mechanical14 "H" at 208.639,2.3 h1 r90; Mechanical14 "I" at 207.239,2.55 h1 r90; Mechanical14 "J" at 205.839,2.3 h1 r90; Mechanical14 "K" at 204.439,2.3 h1 r90; Mechanical14 "L" at 203.039,2.3 h1 r90; Mechanical14 "1" at 197.989,4.15 h1 r90; Mechanical14 "2" at 197.989,6.15 h1 r90; Mechanical14 "3" at 197.989,8.15 h1 r90; Mechanical14 "4" at 199.75,6.5 h1 r90; Mechanical14 "5" at 197.989,12.15 h1 r90; Mechanical14 "6" at 197.989,14.15 h1 r90; Mechanical8 "Top Surface of Mother Board" at 232.289,5.125 h0.5 r90; Mechanical8 "Edge of Daugher Card" at 220.789,6.275 h0.5 r90